# KiCad board visionboard.kicad_pcb (continued)
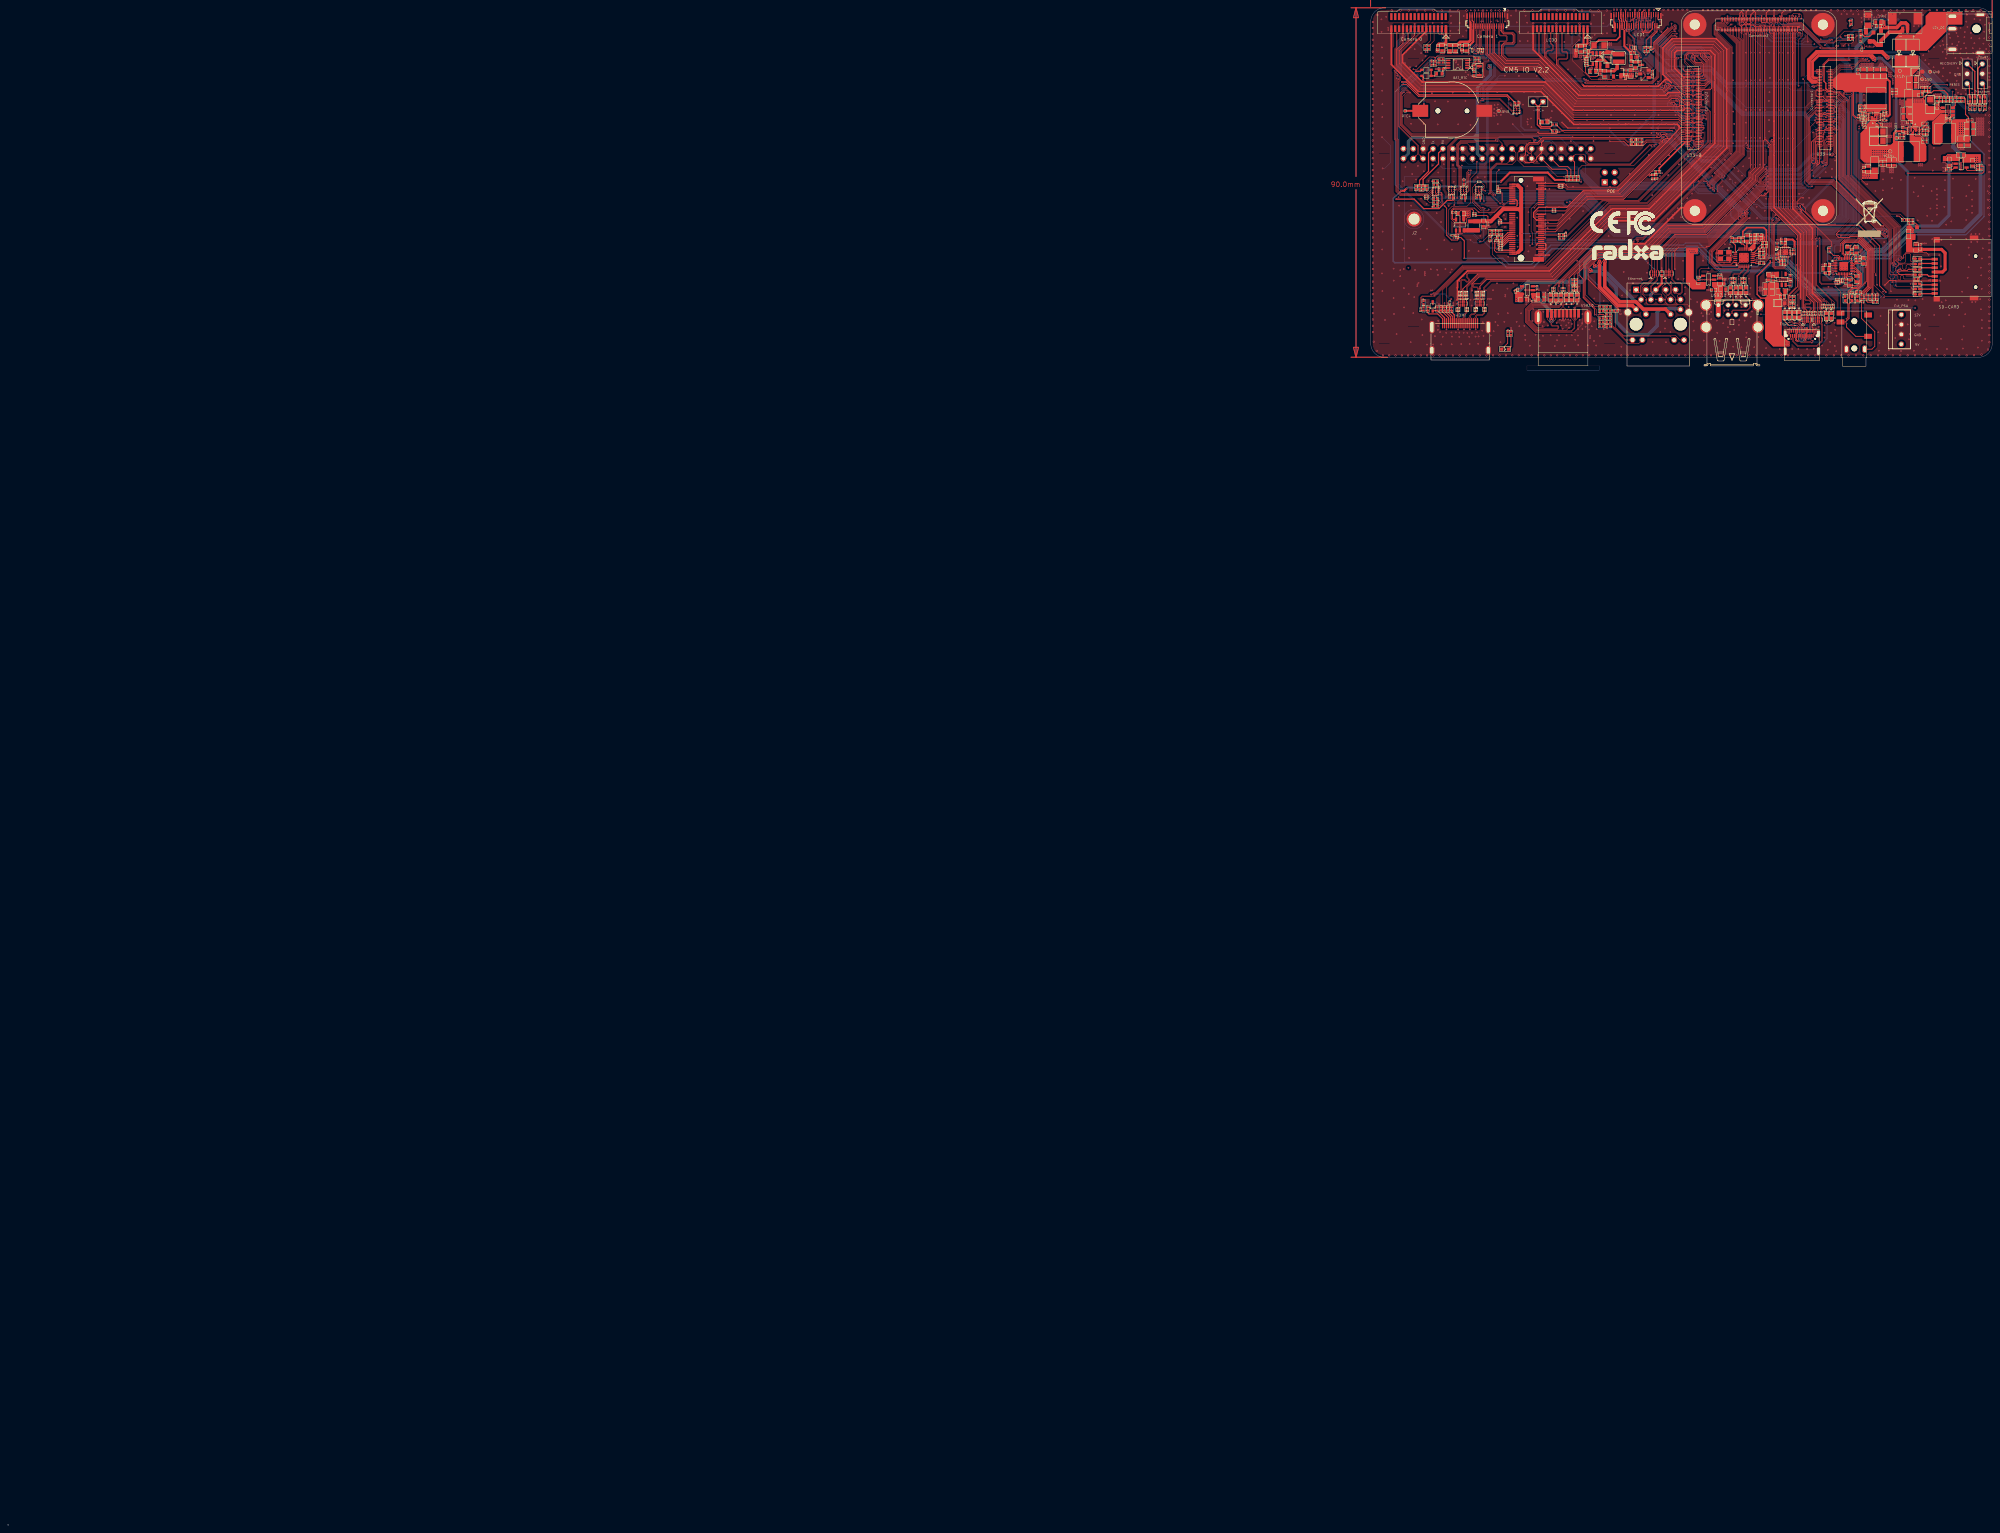
[diagram p0: board, top side]
## Routing (per net, layer and track width the routed paths; a pad name or vN(x,y) marks a point on that pad's centre or on a via; arc(x,y) is an arc through that point) (continued)
  Bottom w0.1: 367.96,378.07 366.74,378.07 357.86,369.19 357.86,345.12 371.96,331.02 v1(376.61,331.02) 377.38,330.24 379.15,330.24 379.36,330.45 379.36,330.74 377.48,332.62 370.96,332.62 358.26,345.32 358.26,368.63 364.92,375.29 365.18,375.29 367.96,378.07 ; 367.96,378.07 v1(368.91,379.02) ; 461.58,309.99 v1(461.61,310.02) 461.61,309.99 ; 461.58,309.99 461.38,309.79 461.38,308.19 461.63,307.94 461.63,305.97 461.48,305.82 461.48,305.45 461.69,305.24 461.98,305.24 462.18,305.45 462.18,308.39 461.61,308.97 461.61,309.99 ; 461.58,309.99 460.86,309.99 460.43,309.57 460.43,308.2 460.23,307.99 459.44,307.99 459.23,308.2 ; 464.88,369.59 v1(465.78,369.59) ; 464.88,369.59 463.23,371.24 442.46,371.24 438.74,374.97 427.11,374.97 421.93,380.14 380.19,380.14 379.36,379.31 379.36,379.02 379.56,378.82 380.37,378.82 381.3,379.74 421.76,379.74 426.93,374.57 438.39,374.57 442.59,370.37 458.41,370.37 459.18,369.59 464.88,369.59 ; v1(353.98,349.42) 354.53,349.42 356.03,350.92 356.03,355.27 v1(353.83,357.47) ; v1(433.98,369.42) 434.96,368.44 436.23,368.44 v1(436.46,368.32) ; 427.41,370.34 426.89,370.34 426.68,370.55 426.68,371.04 426.83,371.19 v1(426.83,371.64) ; 427.41,370.34 427.41,370.07 427.96,369.52 432.66,369.52 434.21,367.97 ; 427.41,370.34 427.76,370.34 428.06,370.64 429.06,370.64 v1(429.18,370.52) ; 461.68,384.12 462.2,384.12 462.81,383.51 462.81,383.15 462.58,382.92 ; 461.68,384.12 461.68,383.74 461.46,383.52 461.16,383.52 460.88,383.79 454.83,383.79 451.01,387.62 451.01,388.89 ; 461.68,384.12 v1(461.38,384.42) 461.28,384.42 461.06,384.19 455,384.19 452.2,386.99 v1(451.61,386.99) ; v1(420.73,388.04) 420.33,388.44 419.99,388.44 419.76,388.21 ; 462.38,310.09 461.71,310.09 461.61,309.99 ; 462.38,310.09 463.86,310.09 464.88,309.07 ; 462.38,310.09 461.86,309.57 461.86,309.27 462.24,308.89 463.27,308.89 463.81,308.36 463.81,306.27 463.31,305.77 463.31,305.45 463.51,305.24 464.3,305.24 464.51,305.45 464.51,305.82 464.41,305.92 464.41,308.89 464.58,309.07 464.88,309.07 ; v1(387.48,360.79) 390.27,358 401.98,358 402.47,357.52 v1(402.88,357.52) ; 462.58,382.92 461.88,382.22 460.9,382.22 460.32,382.79 454.42,382.79 450.67,386.54 449.46,386.54 449.21,386.79 449.21,387.94 449.74,388.47 450.58,388.47 ; 462.58,382.92 460.76,382.92 460.49,383.19 454.58,383.19 450.83,386.94 450.29,386.94 450.06,387.17 450.06,387.94 450.58,388.47 ; v1(448.01,386.57) 448.68,385.89 450.42,385.89 454.12,382.19 460.07,382.19 460.64,381.62 462.2,381.62 462.7,382.12 463.41,382.12 v1(463.46,382.07) ; 421.61,388.24 421.61,386.79 421.93,386.46 421.93,383.59 422.56,382.97 425.42,382.97 428.72,379.67 434.43,379.67 436.13,377.97 437.26,377.97 v1(437.26,378.09) 437.26,378.37 435.36,380.27 429.01,380.27 425.71,383.57 424.03,383.57 422.53,385.07 422.53,387.97 422.06,388.44 ; 421.61,388.24 421.61,388.26 421.4,388.47 421.11,388.47 420.66,388.01 420.66,384.94 419.61,383.89 419.61,382.58 419.82,382.37 425.17,382.37 428.47,379.07 433.48,379.07 434.18,378.37 434.18,377.85 433.98,377.64 433.58,377.64 ; 421.61,388.24 421.81,388.44 422.06,388.44 ; v1(466.48,351.94) 466.79,351.63 466.96,351.63 467.66,350.94 467.66,350.56 467.43,350.33 v1(467.43,350.04) 467,350.04 461.8,344.84 v1(453.11,344.84) 450.51,344.84 450.19,345.16 v1(450.21,345.18) ; v1(466.48,351.94) 465.84,351.94 ; v1(466.48,351.94) 466.48,350.8 466.1,350.42 466.01,350.42 v1(465.76,350.17) 461.48,345.89 453.16,345.89 v1(453.16,345.97) 453.02,346.11 452.72,346.11 452.46,346.37 452.46,347.14 452.71,347.39 453.08,347.39 453.16,347.47 v1(453.16,347.49) 461.66,347.49 465.48,351.31 465.48,351.58 465.84,351.94 ; v1(470.21,322.14) 470.58,321.77 471.16,321.77 471.73,322.34 ; v1(436.46,358.64) 436.33,358.77 435.26,358.77 434.36,359.67 ; 430.86,367.51 430.66,367.31 430.66,366.12 v1(430.46,365.92) 430.9,365.92 433.53,363.29 v1(433.53,363.12) 433.56,363.12 v1(434.26,362.42) ; 430.86,367.51 430.52,367.84 429.48,367.84 428.98,367.34 428.98,366.47 429.13,366.32 ; 430.86,367.51 433.51,364.86 v1(433.51,364.49) ; 450.58,388.47 451.01,388.89 ; v1(385.46,373.32) 384.08,373.32 380.31,369.54 380.31,366.92 379.98,366.59 379.58,366.59 v1(379.28,366.89) 379.28,367.14 379.21,367.22 379.21,369.98 382.61,373.38 382.61,376.49 382.21,376.88 380.19,376.88 v1(379.83,376.52) ; v1(368.51,314.42) 367.91,315.02 365.44,315.02 365.11,314.69 365.11,314.4 365.91,313.59 v1(366.23,313.59) ; v1(416.83,384.69) 418.1,384.69 418.63,385.23 v1(418.63,385.24) ; 422.46,388.44 422.63,388.44 ; 422.46,388.44 422.51,388.49 423.28,388.49 423.63,388.14 423.63,386.5 429.21,380.92 436,380.92 438.63,378.29 438.63,378 438.2,377.57 426.61,377.57 423.23,380.94 417.86,380.94 v1(417.63,381.17) ; 422.46,388.44 422.06,388.44 ; 419.76,388.21 419.68,388.29 419.24,388.29 418.73,387.79 418.73,385.24 ; 419.76,388.21 419.76,387.21 ; v1(434.28,363.77) 434.91,363.14 435.91,363.14 436.66,362.39 v1(436.66,362.37) ; 451.01,388.89 451.31,388.89 v1(451.56,388.64) ; 465.84,351.94 465.51,352.27 464.49,352.27 460.81,348.59 452.51,348.59 v1(452.56,348.6) ; 486.38,322.59 486.43,322.54 487,322.54 487.21,322.75 487.21,326.16 487,326.37 486.71,326.37 485.89,325.54 485.89,325.09 ; 486.38,322.59 486.38,324.89 486.18,325.09 485.89,325.09 ; 486.38,322.59 486.38,319.17 486.18,318.97 485.76,318.97 485.56,319.17 v1(485.56,324.47) 485.56,324.76 485.89,325.09 ; v1(436.46,367.12) 434.43,367.12 v1(434.36,367.19) ; v1(437.31,362.12) 437.31,361.77 437.21,361.67 437.21,361.57 ; 464.88,309.07 465.68,309.07 v1(466.03,309.42) 466.03,310.14 465.03,311.14 460.18,311.14 ; v1(376.16,380.24) 376.76,380.84 402.91,380.84 v1(404.66,382.59) ; v1(435.27,354.51) 435.18,354.42 433.23,356.37 433.23,356.99 v1(433.43,357.19) ; v1(468.41,369.17) 472.29,369.17 472.84,368.62 472.33,368.12 ; v1(447.63,355.94) 446.95,355.26 435.62,355.26 435.46,355.43 435.46,356.67 v1(436.06,357.27) ; 401.76,387.21 401.83,387.09 ; v1(419.83,387.09) 419.83,386.64 419.38,386.19 419.38,384.51 418.68,383.81 418.68,382.54 419.46,381.77 424.93,381.77 428.23,378.47 430.38,378.47 v1(430.81,378.04) ; v1(466.56,347.02) 466.23,347.02 462.08,342.87 v1(461.21,342.87)
  Bottom w0.12: 427.21,357.07 427.84,357.07 447.11,337.8 447.37,337.8 447.61,337.57 448.39,337.57 448.64,337.82 448.64,338.12 447.74,339.02 v1(447.98,338.94)
  Bottom w0.15: v1(429.08,359.82) 429.08,360.27 429.45,360.64 429.81,360.64 430.26,360.19 v1(430.26,359.67) ; v1(429.08,359.82) 429.08,359.73 436.44,352.37 440.06,352.37 452.16,340.27 461.88,340.27 ; v1(429.08,359.82) 428.2,359.82 427.91,359.52 427.91,358.96 428.35,358.52 429.07,358.52 436.12,351.47 438.94,351.47 444.11,346.31 444.11,345.63 449.54,340.19 450.51,340.19 451.48,339.22 462.01,339.22 462.11,339.32 462.11,340.04 461.88,340.27 ; 461.88,340.27 462.53,340.27 ; v1(428.48,357.67) 428.28,357.87 428.05,357.87 427.71,358.21 425.99,358.21 425.48,357.7 425.48,357.31 425.73,357.07 427.21,357.07 ; 431.68,359.94 v1(431.71,359.97)
  Bottom w0.2: v1(484.86,317.77) 484.78,317.84 484.78,325.09 ; v1(472.76,368.02) 473.16,367.61 473.4,367.61 473.88,367.13 473.88,366.8 473.65,366.57 472.64,366.57 472.44,366.77 v1(471.21,366.77)
  Bottom w0.25: 434.36,359.67 429.51,364.52 429.51,365.94 429.13,366.32 ; v1(433.98,369.42) 432.88,370.52 v1(429.18,370.52) ; v1(446.21,336.92) 445.66,337.12 445.66,338.25 427.87,356.04 426.08,356.04 425.26,356.87 ; v1(409.91,312.22) 409.91,318.82 406.81,321.92 406.81,324.84 408.18,326.22 421.18,326.22 v1(423.98,323.42) ; 425.51,364.37 v1(427.93,364.37) ; v1(426.01,371.59) 425.56,371.14 425.56,370.12 426.88,368.79 431.11,368.79 431.44,368.67 431.43,368.64 v1(431.66,368.39) 431.67,368.41 431.68,368.39 431.68,367.66 434.82,364.52 436.31,364.52 v1(437.16,363.67) ; v1(426.83,371.64) 435.23,371.64
  Bottom w0.3: v1(471.83,323.37) 472.02,323.37 480.02,331.37 483.59,331.37 484.18,331.96 484.18,333.28 483.59,333.87 480.38,333.87 472.23,325.72 469.87,325.72 469.41,325.25 469.41,322.53 469.79,322.14 v1(470.21,322.14)
  vias: v1(353.68,387.79) v1(353.71,384.62) v1(353.81,380.59) v1(353.81,322.37) v1(353.88,377.87) v1(353.86,369.44) v1(353.93,365.94) v1(353.91,362.64) v1(353.88,328.54) v1(353.93,317.82) v1(353.96,373.62) v1(353.98,333.17) v1(354.13,339.99) v1(354.16,346.72) v1(354.61,310.39) v1(354.91,388.47) v1(355.43,385.62) v1(355.46,385.07) v1(356.81,323.62) v1(356.83,320.54) v1(356.81,316.04) v1(356.91,311.94) v1(357.58,306.77) v1(358.08,341.99) v1(358.23,339.84) v1(358.53,323.22) v1(358.53,321.67) v1(359.08,384.27) v1(359.13,346.09) v1(359.06,331.04) v1(359.28,386.54) v1(359.43,328.82) v1(359.43,323.52) v1(359.48,318.59) v1(359.51,313.62) v1(359.73,376.54) v1(359.86,349.77) v1(359.96,379.42) v1(360.71,317.09) v1(360.81,326.37) v1(361.03,375.47) v1(361.21,304.67) v1(361.31,360.94) v1(361.33,339.84) v1(361.38,380.82) v1(361.61,347.97) v1(361.88,312.17) v1(362.13,316.27) v1(362.23,386.64) v1(362.21,383.79) v1(362.23,380.12) v1(362.33,323.27) v1(362.61,346.57) v1(362.66,375.69) v1(362.93,319.12) v1(362.96,319.57) v1(363.06,350.09) v1(363.23,319.97) v1(363.38,382.64) v1(363.48,343.54) v1(363.73,331.27) v1(363.91,379.12) v1(363.86,341.64) v1(363.96,343.57) v1(364.03,310.52) v1(364.23,306.49) v1(364.26,377.22) v1(364.43,343.54) v1(364.43,315.82) v1(364.56,360.79) v1(364.58,348.67) v1(364.83,322.77) v1(364.83,322.32) v1(364.83,321.87) v1(365.02,378.35) v1(365.13,386.62) v1(365.21,383.87) v1(365.31,340.34) v1(365.41,333.92) v1(365.41,304.07) v1(365.46,328.54) v1(365.83,346.22) v1(366.38,323.47) v1(366.38,317.99) v1(366.68,368.79) v1(366.81,317.99) v1(366.88,386.89) v1(366.86,350.17) v1(366.88,342.17) v1(367.01,371.82) v1(367.03,304.07) v1(367.33,313.57) v1(367.48,366.69) v1(367.46,306.22) v1(367.68,375.02) v1(367.91,337.89) v1(368.03,323.32) v1(368.13,375.02) v1(368.16,360.74) v1(368.23,321.99) v1(368.21,307.87) v1(368.33,348.37) v1(368.31,310.17) v1(368.28,308.84) v1(368.78,307.27) v1(369.01,335.62) v1(369.03,314.14) v1(369.11,304.09) v1(369.31,386.87) v1(369.33,379.02) v1(369.31,346.32) v1(369.46,306.09) v1(369.73,350.49) v1(369.76,379.02) v1(369.88,330.97) v1(369.91,314.72) v1(369.91,314.19) v1(370.01,379.42) v1(370.23,379.82) v1(370.16,323.49) v1(370.43,307.97) v1(370.36,307.09) v1(370.78,366.64) v1(370.78,314.74) v1(370.76,314.24) v1(370.96,342.52) v1(370.98,339.77) v1(371.31,383.62) v1(371.43,384.84) v1(371.43,322.64) v1(371.53,388.72) v1(371.61,386.84) v1(371.71,307.17) v1(371.81,328.52) v1(371.76,323.39) v1(371.76,304.12) v1(371.86,306.12) v1(372.01,368.94) v1(372.11,350.27) v1(372.16,371.79) v1(372.21,331.52) v1(372.21,314.72) v1(372.23,314.19) v1(372.31,345.99) v1(372.36,379.12) v1(372.38,348.67) v1(372.48,377.22) v1(372.78,379.09) v1(372.83,338.37) v1(372.83,337.79) v1(372.83,337.22) v1(372.83,307.19) v1(372.86,376.69) v1(372.98,377.17) v1(373.03,314.59) v1(373.21,379.09) v1(373.43,376.17) v1(373.43,360.77) v1(373.43,332.67) v1(373.43,307.97) v1(373.51,385.02) v1(373.73,320.47) v1(373.73,306.04) v1(373.81,386.87) v1(373.76,307.14) v1(373.88,337.07) v1(373.88,336.62) v1(373.88,336.17) v1(373.88,335.69) v1(373.88,334.79) v1(373.88,334.29) v1(373.91,332.67) v1(374.03,375.59) v1(374.23,304.19) v1(374.38,332.67) v1(374.63,383.44) v1(374.61,374.89) v1(374.66,317.97) v1(374.68,315.59) v1(374.83,307.12) v1(374.86,388.67) v1(374.86,346.82) v1(374.93,307.97) v1(375.31,366.79) v1(375.36,374.19) v1(375.38,322.62) v1(375.56,384.92) v1(375.66,386.94) v1(375.81,307.07) v1(376.06,373.57) v1(376.16,379.82) v1(376.16,379.39) v1(376.16,378.97) v1(376.16,371.69) v1(376.16,328.19) v1(376.31,368.99) v1(376.28,306.07) v1(376.43,307.99) v1(376.38,304.22) v1(376.48,377.24) v1(376.61,360.64) v1(376.61,315.62) v1(376.68,390.12) v1(376.86,373.29) v1(376.88,314.11) v1(376.96,375.97) v1(376.96,307.07) v1(377.48,315.67) v1(377.93,307.99) v1(377.91,306.12) v1(378.28,307.19) v1(378.43,347.09) v1(378.58,304.27) v1(378.67,390.14) v1(378.68,328.09) v1(378.68,306.14) v1(379.03,315.69) v1(379.06,318.57) v1(379.16,332.04) v1(379.46,333.67) v1(379.63,307.64) v1(379.78,309.79) v1(380.03,385.02) v1(379.96,306.27) v1(380.31,347.22) v1(380.48,333.92) v1(380.58,318.02) v1(380.68,334.37) v1(380.77,390.1) v1(380.78,314.3) v1(380.93,333.92) v1(381.01,384.99) v1(381.03,315.82) v1(381.13,334.37) v1(381.26,377.27) v1(381.41,334.77) v1(381.43,304.34) v1(381.46,315.82) v1(381.58,334.37) v1(381.56,330.39) v1(381.83,387.24) v1(381.78,306.39) v1(381.88,315.82) v1(382.41,318.04) v1(382.56,307.47) v1(382.73,364.72) v1(382.68,363.72) v1(382.71,362.97) v1(382.81,385.04) v1(382.81,365.72) v1(383.02,390.11) v1(383.03,309.89) v1(383.18,323.02) v1(383.26,363.57) v1(383.33,363.09) v1(383.41,332.07) v1(383.43,319.82) v1(383.53,369.07) v1(383.51,365.07) v1(383.63,387.29) v1(383.63,365.87) v1(383.63,360.84) v1(383.63,308.99) v1(383.78,311.97) v1(383.93,332.14) v1(384.33,304.64) v1(384.43,363.22) v1(384.48,363.87) v1(384.58,364.87) v1(384.83,332.14) v1(384.91,332.57) v1(385.09,390.05) v1(385.13,364.09) v1(385.21,337.39) v1(385.33,309.92) v1(385.46,387.27) v1(385.48,334.37) v1(385.58,336.39) v1(385.58,316.87) v1(385.58,316.44) v1(386.13,318.47) v1(386.21,312.14) v1(386.33,326.67) v1(387.04,388.78) v1(387.01,365.72) v1(387.06,308.32) v1(387.06,307.87) v1(387.16,368.99) v1(387.56,323.02) v1(387.66,319.79) v1(388.51,387.02) v1(388.48,309.92) v1(388.63,336.74) v1(388.68,332.07) v1(388.73,329.27) v1(388.88,366.79) v1(389.11,384.61) v1(389.06,373.24) v1(389.18,308.79) v1(389.35,382.2) v1(389.43,366.29) v1(389.63,312.09) v1(390.11,365.87) v1(390.38,369.07) v1(390.48,308.87) v1(390.61,318.09) v1(390.71,316.29) v1(390.66,306.47) v1(390.73,305.27) v1(390.78,388.76) v1(391.03,318.09) v1(391.01,314.39) v1(391.08,355.63) v1(391.13,316.29) v1(391.19,386.96) v1(391.32,382.23) v1(391.33,362.07) v1(391.26,361.42) v1(391.33,360.74) v1(391.33,352.84) v1(391.26,344.82) v1(391.46,384.46) v1(391.53,338.14) v1(391.53,328.04) v1(391.46,318.09) v1(391.56,316.27) v1(391.58,315.82) v1(391.56,315.29) v1(391.68,334.82) v1(391.93,329.57) v1(391.88,318.09) v1(391.88,303.77) v1(392.01,331.94) v1(392.01,315.69) v1(392.16,362.27) v1(392.18,315.27) v1(392.31,360.04) v1(392.53,310.17) v1(392.58,381.92) v1(392.73,384.04) v1(392.78,313.17) v1(393.23,369.04) v1(393.31,327.12) v1(393.36,306.62) v1(393.54,318.06) v1(393.66,373.24) v1(393.68,351.22) v1(394.23,323.02) v1(394.19,318.06) v1(394.38,305.14) v1(394.41,303.69) v1(394.91,355.67) v1(394.88,353.24) v1(395.16,308.77) v1(395.26,306.32) v1(395.38,312.52) v1(395.51,309.87) v1(395.63,368.12) v1(395.68,381.84) v1(395.76,384.12) v1(395.88,336.12) v1(395.88,334.62) v1(395.91,333.12) v1(396.03,362.04) v1(396.26,339.44) v1(396.36,317.07) v1(396.36,316.64) v1(396.36,316.22) v1(396.36,315.79) v1(396.36,315.37) v1(396.46,362.07) v1(396.46,318.14) v1(396.51,308.97) v1(396.61,376.14) v1(396.81,319.22) v1(396.91,362.04) v1(396.93,344.12) v1(397.23,306.44) v1(397.33,370.14) v1(397.28,362.49) v1(397.56,364.19) v1(397.93,365.74) v1(398.31,303.67) v1(398.56,314.82) v1(398.71,381.84) v1(398.76,384.14) v1(398.81,309.62) v1(398.91,305.17) v1(399.18,314.67) v1(399.33,319.09) v1(399.31,317.77) v1(399.26,315.17) v1(399.43,339.42) v1(399.38,306.42) v1(399.51,373.24) v1(399.63,310.47) v1(399.93,308.97) v1(400.08,363.69) v1(400.13,310.24) v1(400.33,367.14) v1(400.33,308.14) v1(400.38,337.47) v1(400.66,310.19) v1(400.78,381.99) v1(400.88,303.72) v1(401.08,310.57) v1(401.24,345.22) v1(401.28,308.99) v1(401.33,306.42) v1(401.73,384.22) v1(401.73,374.92) v1(401.78,310.52) v1(401.88,313.72) v1(401.86,309.69) v1(401.98,319.24) v1(401.96,317.77) v1(401.96,315.67) v1(401.95,315.16) v1(402.01,308.39) v1(402.11,328.22) v1(402.16,336.47) v1(402.26,361.52) v1(402.36,310.32) v1(402.51,370.24) v1(402.46,356.44) v1(402.71,309.37) v1(402.68,306.44) v1(403,344.73) v1(403.28,364.34) v1(403.56,373.12) v1(403.58,305.29) v1(404.08,325.64) v1(404.06,314.82) v1(404.28,309.04) v1(404.33,308.04) v1(404.26,306.39) v1(404.41,359.74) v1(404.36,303.94) v1(404.48,318.99) v1(404.51,317.77) v1(404.63,378.07) v1(404.71,384.17) v1(404.68,378.52) v1(404.71,315.87) v1(404.71,310.42) v1(404.78,360.79) v1(405.11,378.52) v1(405.16,378.07) v1(405.26,377.44) v1(405.43,311.89) v1(405.36,309.57) v1(405.43,308.07) v1(405.53,378.52) v1(405.61,338.44) v1(405.71,376.97) v1(405.66,364.37) v1(406.23,308.67) v1(406.43,368.27) v1(406.63,363.17) v1(406.61,361.94) v1(406.61,332.72) v1(406.66,370.59) v1(406.81,303.84) v1(407.23,381.14) v1(407.18,307.94) v1(407.43,382.39) v1(407.36,381.77) v1(407.38,375.27) v1(407.43,306.27) v1(407.41,305.74) v1(407.46,360.79) v1(407.58,377.62) v1(407.81,378.14) v1(407.81,308.77) v1(407.93,383.17) v1(407.86,375.44) v1(407.98,375.02) v1(408.13,377.64) v1(408.28,378.17) v1(408.28,357.44) v1(408.28,356.47) v1(408.35,388.87) v1(408.41,304.99) v1(408.5,315.92) v1(408.51,310.02) v1(408.58,383.84) v1(408.56,364.37) v1(408.66,377.89) v1(408.71,370.59) v1(408.81,378.32) v1(408.98,303.82) v1(409.08,307.99) v1(409.21,368.27) v1(409.31,378.29) v1(409.86,378.12) v1(409.91,306.27) v1(410.11,372.32) v1(410.16,360.79) v1(410.53,372.32) v1(410.63,384.13) v1(410.66,378.09) v1(410.73,311.32) v1(410.82,386.77) v1(410.86,361.94) v1(410.89,315.33) v1(410.93,308.04) v1(410.98,372.32) v1(411.06,388.85) v1(411.06,364.37) v1(411.38,378.09) v1(411.43,372.32) v1(411.36,368.27) v1(411.51,370.59) v1(411.73,308.24) v1(411.76,384.22) v1(411.83,378.09) v1(411.96,381.67) v1(411.96,381.22) v1(412.21,360.79) v1(412.16,331.99) v1(412.31,378.07) v1(412.41,381.67) v1(412.41,381.22) v1(412.43,357.47) v1(412.48,359.72) v1(412.53,344.69) v1(412.81,387.72) v1(412.81,378.04) v1(412.76,363.17) v1(412.86,381.67) v1(412.86,381.22) v1(412.93,339.02) v1(413.38,368.27) v1(413.66,364.37) v1(414.31,370.59) v1(414.61,361.94) v1(414.86,360.79) v1(415.46,368.27) v1(415.46,303.52) v1(415.65,316.7) v1(415.83,364.39) v1(416.04,322.75) v1(416.83,339.02) v1(416.96,381.29) v1(417.11,370.59) v1(417.41,360.79) v1(417.56,375.09) v1(417.58,348.02) v1(417.71,368.27) v1(417.68,318.07) v1(417.98,375.09) v1(418.41,375.09) v1(418.36,361.94) v1(418.51,319.84) v1(418.58,374.44) v1(418.88,378.24) v1(418.88,377.82) v1(418.88,363.17) v1(419.03,374.44) v1(419.06,364.37) v1(419.48,374.44) v1(419.81,368.27) v1(419.91,370.59) v1(419.96,374.49) v1(420.18,360.79) v1(420.43,374.49) v1(420.86,320.74) v1(421.08,374.37) v1(421.28,373.97) v1(421.51,373.57) v1(421.73,361.97) v1(421.83,315.57) v1(421.96,368.27) v1(422.13,330.67) v1(422.06,322.54) v1(422.18,364.37) v1(422.23,325.12) v1(422.46,360.79) v1(422.48,352.87) v1(422.71,370.59) v1(422.81,374.04) v1(423.06,373.54) v1(423.23,359.79) v1(423.21,358.47) v1(423.41,342.54) v1(423.53,348.77) v1(423.46,346.32) v1(423.48,304.72) v1(424.13,346.32) v1(424.26,371.17) v1(424.28,340.67) v1(424.33,315.67) v1(424.54,358.49) v1(424.61,357.54) v1(424.83,319.69) v1(424.93,360.79) v1(424.88,359.67) v1(424.91,346.92) v1(425.01,363.17) v1(425.13,385.39) v1(425.06,368.27) v1(425.23,355.84) v1(425.43,350.49) v1(425.38,347.47) v1(425.48,387.19) v1(425.48,364.37) v1(425.48,307.27) v1(425.81,384.57) v1(425.83,323.74) v1(425.83,323.29) v1(425.86,361.94) v1(425.98,348.19) v1(426.08,388.92) v1(426.18,342.57) v1(426.71,315.64) v1(426.71,310.09) v1(426.68,308.19) v1(426.9,338.9) v1(426.93,304.64) v1(427.03,360.79) v1(427.16,368.44) v1(427.37,336.39) v1(427.51,347.69) v1(427.58,357.02) v1(427.68,323.42) v1(427.68,321.32) v1(427.76,352.79) v1(428.08,307.27) v1(428.64,337.51) v1(428.73,336.62) v1(429.01,360.79) v1(429.18,377.72) v1(429.23,357.07) v1(429.21,354.47) v1(429.28,337.94) v1(429.41,363.17) v1(429.41,315.62) v1(429.97,339.14) v1(430.08,320.92) v1(430.26,350.47) v1(430.51,355.79) v1(430.58,342.58) v1(430.81,336.87) v1(430.91,364.37) v1(430.93,347.29) v1(431,340.33) v1(431.33,325.64) v1(431.36,358.74) v1(431.47,321.01) v1(431.61,371.67) v1(431.68,351.87) v1(431.83,317.12) v1(431.88,318.79) v1(432.43,341.73) v1(433.08,353.22) v1(433.28,349.65) v1(433.28,315.74) v1(433.46,373.97) v1(433.46,372.79) v1(433.46,371.62) v1(433.53,370.47) v1(433.46,359.22) v1(433.61,305.19) v1(433.65,342.94) v1(433.96,309.99) v1(434.08,373.97) v1(434.06,370.44) v1(434.18,371.62) v1(434.16,307.67) v1(434.26,372.77) v1(434.26,365.72) v1(434.98,351.34) v1(434.98,315.02) v1(435.28,347.36) v1(435.98,320.79) v1(436.11,370.77) v1(436.08,312.12) v1(436.28,363.89) v1(436.38,369.64) v1(436.41,320.79) v1(436.46,311.42) v1(436.72,346.09) v1(436.66,305.09) v1(436.83,320.79) v1(437.26,320.79) v1(437.44,349.53) v1(437.48,353.84) v1(437.51,318.12) v1(437.71,322.82) v1(437.68,320.79) v1(437.78,368.17) v1(437.88,366.67) v1(437.93,318.12) v1(438.11,320.79) v1(438.11,311.89) v1(438.36,339.87) v1(438.36,318.09) v1(438.53,320.79) v1(438.58,312.47) v1(438.58,310.59) v1(438.89,347.47) v1(439.53,372.09) v1(439.53,369.14) v1(439.53,363.52) v1(439.53,357.27) v1(439.91,327.62) v1(439.91,326.64) v1(440.01,310.24) v1(440.21,343.57) v1(440.16,307.09) v1(440.48,385.17) v1(440.73,304.97) v1(440.81,352.9) v1(441.43,322.07) v1(441.48,344.77) v1(441.53,321.09) v1(441.71,309.54) v1(441.88,325.17) v1(441.98,380.74) v1(441.96,321.09) v1(441.98,312.79) v1(442.1,351.63) v1(442.08,329.87) v1(442.29,337.29) v1(442.28,317.57) v1(442.38,321.09) v1(442.38,317.02) v1(442.61,369.29) v1(442.61,363.52) v1(442.61,357.24) v1(442.81,343.77) v1(442.81,317.42) v1(442.88,308.49) v1(443.01,316.79) v1(442.98,312.97) v1(443.06,321.04) v1(443.41,346.62) v1(443.38,329.87) v1(443.38,307.34) v1(443.56,316.64) v1(443.7,353.2) v1(444.13,379.12) v1(444.11,339.08) v1(444.18,372.09) v1(444.18,355.89) v1(444.23,303.52) v1(444.26,364.07) v1(444.31,358.14) v1(444.51,360.89) v1(444.53,349.59) v1(444.51,307.82) v1(444.83,345.77) v1(444.93,316.04) v1(444.96,324.74) v1(444.96,316.64) v1(445.38,316.07) v1(445.53,316.64) v1(445.58,348.67) v1(445.61,336.32) v1(445.63,320.92) v1(445.63,319.74) v1(445.68,321.67) v1(445.71,309.12) v1(445.83,310.37) v1(445.86,386.94) v1(445.96,388.69) v1(446.03,326.32) v1(446.03,325.42) v1(446.06,327.37) v1(446.13,316.67) v1(446.11,316.04) v1(446.26,315.04) v1(446.41,313.74) v1(446.38,303.34) v1(446.46,386.37) v1(446.53,347.57) v1(446.58,316.44) v1(446.76,388.69) v1(446.83,349.94) v1(446.98,327.37) v1(446.96,325.42) v1(447.18,310.24) v1(447.53,357.32) v1(447.56,388.72) v1(447.56,386.97) v1(447.58,384.09) v1(447.56,379.24) v1(447.58,372.07) v1(447.56,364.52) v1(447.56,361.22) v1(447.58,305.92) v1(447.68,307.12) v1(447.84,342.81) v1(447.91,327.37) v1(447.93,326.39) v1(447.91,325.42) v1(448.28,330.07) v1(448.31,321.04) v1(448.36,352.04) v1(448.53,317.07) v1(448.71,318.64) v1(448.76,388.72) v1(448.76,386.97) v1(448.76,384.37) v1(448.76,379.24) v1(448.76,372.09) v1(448.76,364.49) v1(448.76,357.34) v1(448.76,350.39) v1(448.76,329.99) v1(448.76,311.22) v1(448.96,330.94) v1(449.08,312.57) v1(449.18,315.89) v1(449.29,344.27) v1(449.63,340.74) v1(449.68,303.37) v1(449.96,388.72) v1(449.96,384.37) v1(449.96,379.24) v1(449.96,372.12) v1(449.96,364.49) v1(449.96,357.32) v1(449.96,350.39) v1(450.28,339.57) v1(450.41,336.62) v1(450.43,330.04) v1(450.46,330.99) v1(450.46,330.54) v1(450.73,305.99) v1(450.81,345.84) v1(450.88,330.17) v1(450.96,318.82) v1(451.01,318.37) v1(450.96,317.92) v1(451.18,383.89) v1(451.16,379.24) v1(451.16,372.14) v1(451.16,364.49) v1(451.16,357.29) v1(451.16,350.39) v1(451.41,318.82) v1(451.41,317.92) v1(451.51,342.58) v1(451.46,318.37) v1(451.76,328.04) v1(451.86,318.82) v1(451.91,318.37) v1(451.86,317.92) v1(452.21,328.04) v1(452.38,382.79) v1(452.36,379.24) v1(452.38,372.17) v1(452.36,364.49) v1(452.36,357.27) v1(452.36,350.39) v1(452.41,342.97) v1(452.36,338.54) v1(452.36,318.37) v1(452.48,324.92) v1(452.63,386.97) v1(452.63,320.37) v1(452.73,341.64) v1(452.68,320.82) v1(452.71,303.14) v1(452.76,388.67) v1(452.83,384.22) v1(452.81,318.37) v1(453.08,355.84) v1(453.43,366.82) v1(453.48,361.89) v1(453.53,358.94) v1(453.56,379.24) v1(453.58,369.04) v1(453.71,372.74) v1(454.11,338.57) v1(454.73,388.64) v1(454.76,350.27) v1(454.76,341.24) v1(455.01,320.54) v1(455.43,331.07) v1(455.36,325.77) v1(455.53,320.54) v1(455.86,331.07) v1(455.96,384.37) v1(455.96,379.22) v1(455.96,372.27) v1(455.96,364.44) v1(455.96,357.19) v1(455.96,350.27) v1(455.96,341.19) v1(456.13,320.87) v1(456.23,302.92) v1(456.28,331.07) v1(456.26,320.42) v1(456.73,321.09) v1(456.73,320.42) v1(456.78,388.67) v1(457.01,315.49) v1(457.11,316.87) v1(457.08,313.99) v1(457.16,384.37) v1(457.16,379.19) v1(457.16,372.27) v1(457.16,364.42) v1(457.16,357.17) v1(457.16,350.27) v1(457.16,341.14) v1(457.23,336.89) v1(457.21,328.32) v1(457.21,327.54) v1(457.18,321.09) v1(457.18,320.42) v1(457.23,315.89) v1(457.46,315.49) v1(457.51,313.99) v1(457.63,321.09) v1(457.63,320.42) v1(457.56,316.87) v1(457.71,315.89) v1(457.66,312.99) v1(457.91,315.49) v1(458.08,328.32) v1(458.08,327.52) v1(458.08,321.09) v1(458.08,320.42) v1(458.11,312.87) v1(458.31,318.22) v1(458.33,307.29) v1(458.36,379.19) v1(458.36,372.27) v1(458.36,364.39) v1(458.36,357.14) v1(458.36,350.27) v1(458.36,341.14) v1(458.36,307.84) v1(458.51,321.09) v1(458.53,320.42) v1(458.56,312.99) v1(458.58,306.89) v1(458.76,318.22) v1(458.78,307.29) v1(458.86,309.82) v1(459.18,305.49) v1(459.38,327.57) v1(459.38,327.14) v1(459.43,302.92) v1(459.98,310.22) v1(460.61,312.84) v1(460.66,331.19) v1(460.66,324.57) v1(460.83,316.94) v1(460.78,314.17) v1(461.03,302.92) v1(461.21,388.99) v1(461.18,388.52) v1(461.18,312.99) v1(461.61,331.29) v1(461.61,324.39) v1(461.61,315.84) v1(461.68,312.89) v1(461.96,336.64) v1(462.23,340.14) v1(463.21,311.49) v1(463.28,302.89) v1(463.81,341.84) v1(464.53,348.94) v1(464.61,331.14) v1(464.61,324.32) v1(464.58,311.47) v1(464.76,358.67) v1(464.88,347.47) v1(465.01,303.02) v1(465.13,307.02) v1(465.18,307.47) v1(465.53,307.19) v1(465.58,308.17) v1(465.58,307.69) v1(465.71,367.99) v1(465.68,358.32) v1(465.83,316.22) v1(466.01,311.47) v1(466.26,308.62) v1(466.58,353.97) v1(467.08,314.54) v1(467.18,324.69) v1(467.18,324.24) v1(467.18,303.82) v1(467.46,369.59) v1(467.46,367.97) v1(467.53,311.47) v1(467.63,324.72) v1(467.63,324.29) v1(467.83,366.77) v1(467.78,309.02) v1(467.76,307.12) v1(467.76,305.87) v1(468.06,348.44) v1(468.18,312.77) v1(468.38,367.94) v1(468.58,302.72) v1(468.78,318.97) v1(469.13,353.97) v1(469.21,304.77) v1(469.46,307.09) v1(469.63,347.17) v1(469.68,349.29) v1(469.96,314.54) v1(470.03,312.62) v1(470.18,361.69) v1(470.43,310.87) v1(470.36,309.67) v1(470.41,303.69) v1(470.51,352.49) v1(470.51,351.47) v1(470.51,307.87) v1(470.83,306.32) v1(470.78,302.34) v1(471.83,323.99) v1(472.13,389.14) v1(472.48,316.19) v1(472.71,323.97) v1(472.71,323.34) v1(472.78,319.17) v1(473.21,319.17) v1(473.41,329.69) v1(473.53,389.17) v1(473.51,323.97) v1(473.53,323.34) v1(473.63,319.17) v1(473.83,329.69) v1(474.88,328.87) v1(475.16,389.12) v1(475.18,329.17) v1(475.38,323.17) v1(475.53,329.64) v1(475.48,322.72) v1(475.56,316.22) v1(475.58,315.77) v1(475.58,314.74) v1(476.51,389.09) v1(476.73,316.94) v1(476.78,375.99) v1(476.76,375.54) v1(476.81,327.82) v1(477.03,332.84) v1(477.11,328.17) v1(477.23,376.44) v1(477.23,376.02) v1(477.23,375.59) v1(477.28,388.22) v1(477.31,387.14) v1(477.41,380.84) v1(477.36,361.37) v1(477.36,360.92) v1(477.36,360.47) v1(477.46,328.54) v1(477.66,376.44) v1(477.66,376.02) v1(477.71,375.59) v1(477.66,350.44) v1(477.66,350.02) v1(477.78,314.72) v1(477.91,389.12) v1(477.91,388.64) v1(477.88,368.44) v1(477.93,367.02) v1(478.08,376.44) v1(478.08,376.02) v1(478.11,350.44) v1(478.11,350.02) v1(478.18,375.59) v1(478.31,323.99) v1(478.28,319.97) v1(478.51,380.84) v1(478.51,376.44) v1(478.51,376.02) v1(478.51,350.57) v1(478.63,388.74) v1(478.61,362.99) v1(478.66,375.59) v1(478.93,376.44) v1(478.93,376.02) v1(478.96,350.57) v1(479.13,375.59) v1(479.16,387.92) v1(479.36,380.84) v1(479.36,376.44) v1(479.36,376.02) v1(479.41,350.57) v1(479.46,315.39) v1(479.61,375.59) v1(479.78,376.44) v1(479.78,376.02) v1(479.88,315.44) v1(480.01,388.99) v1(479.96,317.19) v1(480.08,386.14) v1(480.08,375.59) v1(480.21,376.44) v1(480.21,376.02) v1(480.33,386.72) v1(480.48,380.84) v1(480.56,388.32) v1(480.86,343.62) v1(481.18,388.34) v1(481.31,319.44) v1(481.33,317.24) v1(481.48,362.69) v1(481.48,362.19) v1(481.48,361.69) v1(481.61,388.92) 